# Altium PCB HYDRA_V3_BEACON.PcbDoc (part 2 of 2) (continued)
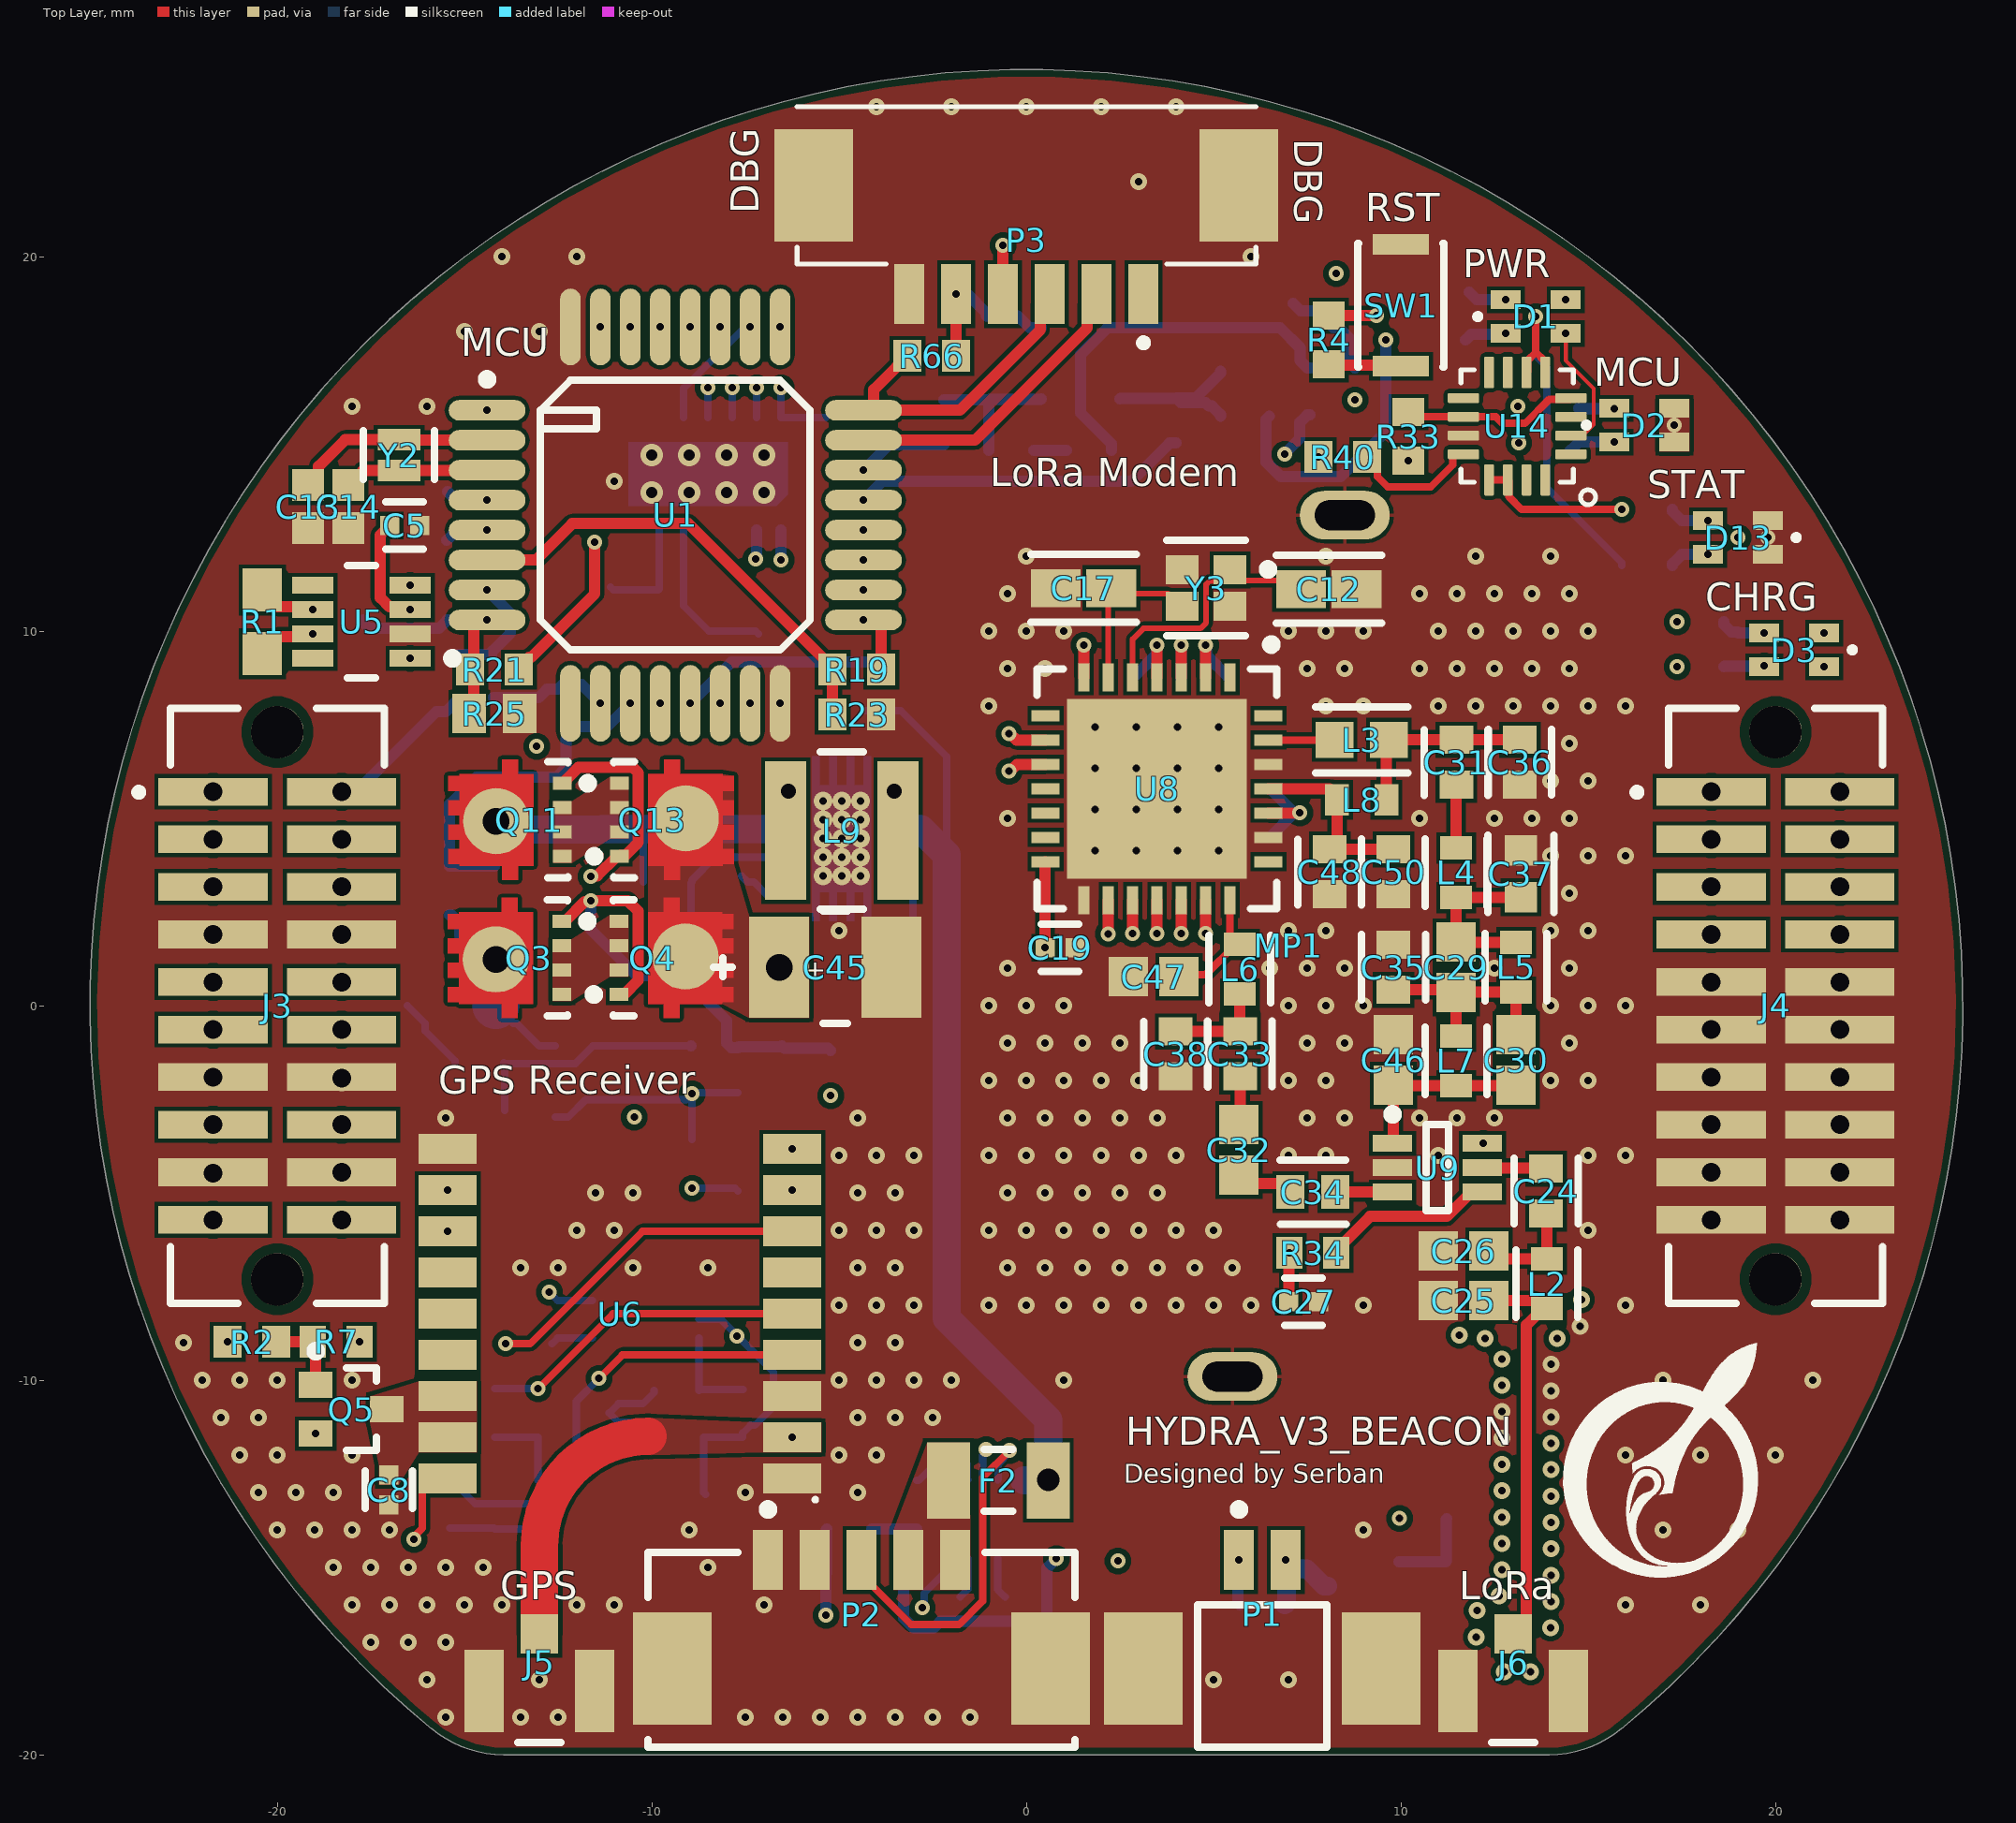
[diagram p0: Top Layer view]
## Nets (pads, with @x,y where several pads share a name; then routed paths per layer and width w, separated by ;. In a path a pad name is that pad's centre, name@x,y a point inside that pad or via, vN(x,y) a via of type N, cw(c..) or ccw(c..) an arc to the next point about the centre after c; other vN are vias at no path point) (continued)
  other v1: -15.5,-19 -13.5,-19 -12.5,-19 -7.5,-19 -6.5,-19 -5.5,-19 -4.5,-19 -3.5,-19 -2.5,-19 -1.5,-19 -16,-18 -13,-18 5,-18 7,-18 -17.5,-17 -16.5,-17 -15.5,-17 -18,-16 -17,-16 -16,-16 -15,-16 -14,-16 -12,-16 -11,-16 -7,-16 16,-16 18,-16 -18.5,-15 -17.5,-15 -16.5,-15 -15.5,-15 -14.5,-15 -8.5,-15 -20,-14 -19,-14 -18,-14 -17,-14 -9,-14 9,-14 15,-14 17,-14 19,-14 -20.5,-13 -19.5,-13 -18.5,-13 -7.5,-13 -4.5,-13 -21,-12 -20,-12 -18,-12 -5,-12 -4,-12 16,-12 18,-12 20,-12 -21.5,-11 -20.5,-11 -4.5,-11 -3.5,-11 -2.5,-11 -22,-10 -21,-10 -20,-10 -18,-10 -5,-10 -4,-10 -3,-10 -2,-10 1,-10 17,-10 19,-10 21,-10 -22.5,-9 -4.5,-9 -3.5,-9 -5,-8 -4,-8 -3,-8 -1,-8 0,-8 1,-8 2,-8 3,-8 4,-8 5,-8 6,-8 9,-8 16,-8 -13.5,-7 -12.5,-7 -10.5,-7 -8.5,-7 -4.5,-7 -3.5,-7 -0.5,-7 0.5,-7 1.5,-7 2.5,-7 3.5,-7 4.5,-7 5.5,-7 -12,-6 -11,-6 -5,-6 -4,-6 -3,-6 -1,-6 0,-6 1,-6 2,-6 3,-6 4,-6 5,-6 15,-6 -11.5,-5 -10.5,-5 -4.5,-5 -3.5,-5 -0.5,-5 0.5,-5 1.5,-5 2.5,-5 3.5,-5 -5,-4 -4,-4 -3,-4 -1,-4 0,-4 1,-4 2,-4 3,-4 4,-4 7,-4 8,-4 11,-4 15,-4 16,-4 -15.5,-3 -4.5,-3 -0.5,-3 0.5,-3 1.5,-3 2.5,-3 3.5,-3 7.5,-3 8.5,-3 10.5,-3 11.5,-3 12.5,-3 -1,-2 0,-2 1,-2 2,-2 3,-2 7,-2 8,-2 14,-2 15,-2 -0.5,-1 0.5,-1 1.5,-1 2.5,-1 7.5,-1 8.5,-1 14.5,-1 -1,0 0,0 0,0 1,0 7,0 8,0 8,0 9,0 14,0 14,0 15,0 16,0 -0.5,1 6.5,1 7.5,1 8.5,1 12.5,1 14.5,1 -5,2 7,2 7,2 8,2 14,2 15,2 15,2 14.5,3 14,4 14,4 15,4 16,4 -0.5,5 10.5,5 12.5,5 13.5,5 14.5,5 14,6 15,6 15,6 14.5,7 -1,8 8,8 8,8 9,8 11,8 12,8 12,8 13,8 14,8 14,8 15,8 16,8 -0.5,9 0.5,9 7.5,9 8.5,9 10.5,9 11.5,9 12.5,9 13.5,9 14.5,9 -1,10 -1,10 0,10 1,10 1,10 7,10 7,10 8,10 9,10 9,10 11,10 11,10 12,10 13,10 13,10 14,10 15,10 15,10 -0.5,11 10.5,11 11.5,11 12.5,11 13.5,11 14.5,11 0,12 8,12 12,12 14,12 -11,14 -18,16 -16,16 -15,18 -13,18 -14,20 -12,20 6,20 3,22 -4,24 -2,24 0,24 2,24 4,24
  other v2: -6.575,8.075 19.8,12.5
  other v3: 18.285,-5.715 21.715,-5.715 -21.715,-4.475 -18.285,-4.445 18.285,-4.445 21.715,-4.445 18.285,-3.175 21.715,-3.175 -18.285,-1.933 -21.715,-1.905 18.285,-1.905 21.715,-1.905 18.285,-0.635 21.715,-0.635 18.285,0.635 21.715,0.635 -21.715,1.905 -18.285,1.905
  other v4: -5.435,3.462 -4.935,3.462 -4.435,3.462 -5.435,3.962 -4.935,3.962 -4.435,3.962 1.837,4.144 2.937,4.144 4.037,4.144 5.137,4.144 -5.435,4.462 -4.935,4.462 -4.435,4.462 -5.435,4.962 -4.935,4.962 -4.435,4.962 1.837,5.244 2.937,5.244 4.037,5.244 5.137,5.244 -5.435,5.462 -4.935,5.462 -4.435,5.462 1.837,6.344 2.937,6.344 4.037,6.344 5.137,6.344 1.837,7.444 2.937,7.444 4.037,7.444 5.137,7.444
  other v5: -10,13.7 -9,13.7 -8,13.7 -7,13.7 -10,14.7 -9,14.7 -8,14.7 -7,14.7
GPS_ENABLE: R7.1 U1.14 | length 21.2
  INT_SIG_1 w0.3: v2(-17.8,-8.975) -17.79,-8.965 -17.49,-8.965 -8.32,0.205 -8.32,7.903 -8.194,8.029 v2@-8.194,8.056
  other v2: -8.175,8.075
GPS_PWR: C8.1 Q5.3 U6.16 U6.17
GPS_RESET: U1.15 U6.18 | length 29.5
  Top Layer w0.2: v2(-16.35,-14.25) -16.312,-14.212 -16.312,-14.133 -16.125,-13.946 -16.125,-12.925 -15.825,-12.625 U6.18@-15.45,-12.625
  INT_SIG_1 w0.3: v2(-16.35,-14.25) -14.225,-14.25 -7.918,-7.943 -7.918,7.532 v2(-7.375,8.075)
GPS_STAT_LED: R40.1 U1.30 U6.11 | length 46.6
  INT_SIG_2 w0.3: v2(-15.45,-4.925) -12.575,-2.05 -12.575,16.125 v2(-10.575,18.125) -8.975,19.725 -5.8,19.725 -0.275,14.2 7.331,14.2 7.781,14.65 v2(7.8,14.65)
HYDRA_3V3_SENSE: R11.1 R12.2 U1.11 | length 9.2
  Bottom Layer w0.3: R12.2@-14.2,3.725 R11.1@-15.4,3.725 -15.4,5.375 -14.675,6.1 -12.55,6.1 -12.292,6.358 -12.292,7.133 -11.975,7.45 -11.2,7.45 v2(-10.575,8.075)
INT_3V3: C42.1 C43.1 C51.1 Q11.5-6-7-8 R36.2 R44.2 U10.4 U10.5 | length 11.9
  INT_SIG_1 w0.2: v6(-14.157,4.927) -13.075,6.01 v2(-13.075,6.925)
  Bottom Layer w0.2: R36.2@-10.236,3.305 -10.236,4.455 -9.986,4.705 C42.1@-9.735,4.705
  Bottom Layer w0.75: v6(-14.157,4.927) -14.017,4.927 -13.794,4.705 C51.1@-11.335,4.705 -11.327,4.712 -6.6,4.712
INT_3V3_SENSE: R44.1 R48.2 U1.10 | length 3.2
  Bottom Layer w0.3: R48.2@-14.225,8.225 R44.1@-13.025,8.225 -12.8,8.45 -12.507,8.45 -12.382,8.575 -11.875,8.575 v2(-11.375,8.075)
LNA_EN: R28.1 U6.4 | length 12.3
  Top Layer w0.2: v2(-11.412,-9.95) -10.787,-9.325 U6.4@-6.25,-9.325
  Bottom Layer w0.2: R28.1@-15.388,-12.7 -15.313,-12.7 -14.713,-13.3 -12.577,-13.3 -12.019,-12.741 -12.019,-10.556 v2(-11.412,-9.95)
LORA_CS: U1.18 U8.19 | length 17
  Top Layer w0.3: v2(4.137,1.925) U8.19@4.137,2.819
  INT_SIG_2 w0.2: v2(-4.35,11.1) -2.752,9.502 -2.752,4.165 0.314,1.1 3.312,1.1 v2(4.137,1.925)
NetC16_1: C16.1 R16.1 R17.2 U4.4 | length 6.5
  Bottom Layer w0.2: R16.1@-13.95,-1.525 R16.1@-13.933,-1.542 ; C16.1@-13.925,-2.8 -13.925,-1.55 R16.1@-13.933,-1.542 ; R17.2@-8.95,-1.075 U4.4@-10.475,-1.075 -11.578,-1.075 -12.045,-1.542 R16.1@-13.933,-1.542
NetC22_1: C22.1 U8.2 | length 1.9
  Top Layer w0.3: U8.2@4.787,8.769 v2(4.787,9.625)
  Bottom Layer w0.3: v2@4.787,9.585 4.806,9.566 4.806,9.354 C22.1@5.4,8.76
NetC23_1: C23.1 U8.4 | length 1.9
  Top Layer w0.3: U8.4@3.487,8.769 v2(3.487,9.625)
  Bottom Layer w0.3: C23.1@2.85,8.76 3.468,9.378 3.468,9.566 v2@3.487,9.585
NetC24_1: C24.1 C26.2 L2.2 | length 2.9
  Top Layer w0.3: C26.2@12.35,-6.55 12.562,-6.762 L2.2@13.9,-6.762 13.9,-5.575 C24.1@13.875,-5.55
NetC25_2: C25.2 J6.1 L2.1 | length 10.7
  Top Layer w0.3: C25.2@12.35,-7.875 13.575,-7.875 L2.1@13.788,-8.087 ; J6.1@13,-16.775 13.35,-16.425 13.35,-8.525 L2.1@13.788,-8.087 ; L2.1@13.9,-8.087 L2.1@13.788,-8.087
NetC29_1: C29.1 C37.1 L4.2 L5.1 | length 4.5
  Top Layer w0.3: L5.1@13.075,1.688 11.487,1.688 C29.1@11.475,1.7 L4.2@11.475,2.888 11.481,2.893 13.194,2.893 C37.1@13.2,2.899
NetC29_2: C29.2 C30.1 C35.1 L5.2 L7.1 | length 5.6
  Top Layer w0.3: C35.1@9.8,0.425 11.4,0.425 C29.2@11.475,0.35 ; L7.1@11.475,-0.812 C29.2@11.475,0.35 ; C30.1@13.075,-0.775 L5.2@13.075,0.363 11.487,0.363 C29.2@11.475,0.35
NetC31_1: C31.1 C36.1 L3.2 L8.2 | length 5.1
  Top Layer w0.3: L8.2@9.61,5.5 9.61,7.034 L3.2@9.676,7.1 C31.1@11.476,7.1 C36.1@13.175,7.1
NetC31_2: C31.2 L4.1 | length 1.7
  Top Layer w0.3: L4.1@11.475,4.213 11.475,5.899 C31.2@11.476,5.9
NetC32_1: C32.1 C33.2 | length 1.3
  Top Layer w0.3: C32.1@5.675,-3.175 5.701,-3.149 C33.2@5.701,-1.887
NetC32_2: C32.2 C34.1 | length 1.6
  Top Layer w0.3: C32.2@5.675,-4.525 5.9,-4.75 6.825,-4.75 C34.1@7.05,-4.975
NetC33_1: C33.1 C38.1 L6.2 | length 2.7
  Top Layer w0.3: C38.1@3.988,-0.688 C33.1@5.701,-0.688 5.7,-0.686 L6.2@5.7,0.312
NetC52_1: C52.1 U10.12 U10.13 | length 2.8
  Bottom Layer w0.2: U10.12@-3.535,3.962 U10.13@-3.535,3.462 -3.355,3.462 -3.033,3.141 -3.033,1.617 C52.1@-3.125,1.525
NetC53_1: C53.1 U10.1 | length 1.5
  Bottom Layer w0.2: C53.1@-7.605,3.463 -7.445,3.303 -7.275,3.303 -6.935,2.962 U10.1@-6.335,2.962
NetD1_1: D1.1 R8.1 | length 1.1
  Bottom Layer w0.3: R8.1@11.725,17.775 11.881,17.931 12.781,17.931 v2(12.8,17.95)
NetD1_4: D1.4 R10.1 | length 1
  Bottom Layer w0.3: R10.1@11.825,19.05 12.025,18.85 v2@12.778,18.85
  other v2: 12.8,18.85
NetD2_1: D2.1 R5.1 | length 1.3
  Bottom Layer w0.3: R5.1@14.525,14.8 14.525,14.825 14.75,15.05 v2(15.7,15.05)
NetD2_4: D2.4 R3.1 | length 0.9
  Bottom Layer w0.3: R3.1@14.75,15.95 14.754,15.946 v2(15.696,15.946)
NetD3_2: D3.2 R14.2 | length 1.2
  Bottom Layer w0.3: R14.2@18.625,10.25 18.625,10.175 18.825,9.975 18.976,9.975 19.001,9.95 v2(19.7,9.95)
NetD3_3: D3.3 R35.2 | length 1.1
  Bottom Layer w0.3: R35.2@18.625,9.05 18.637,9.062 19.687,9.062 v2(19.7,9.075)
NetD4_A: D4.A D9.C | length 0.9
  Bottom Layer w0.3: D4.A@0.2,14.825 D9.C@1.075,14.825
NetD4_C: D4.C D10.C R51.1 U13.4 | length 4
  Bottom Layer w0.3: D10.C@-2.2,16.175 R51.1@-1,16.175 ; D4.C@-1,14.825 R51.1@-1,16.175 ; U13.4@0.395,16.2 0.383,16.187 -0.988,16.187 R51.1@-1,16.175
NetD9_A: D9.A Q9.1 R52.2 R59.1 U13.1 | length 10
  Bottom Layer w0.3: D9.A@2.275,14.825 2.275,15 1.45,15.825 1.45,17.391 2.159,18.1 U13.1@2.496,18.1 R59.1@3.971,18.1 Q9.1@5.221,18.1 6.775,18.1 7.307,17.568 7.307,17.225 7.507,17.025 R52.2@7.575,17.025
NetD11_C: D11.C R56.2 R57.2 U13.3 | length 4.4
  Bottom Layer w0.3: U13.3@2.496,16.2 2.509,16.212 3.988,16.212 D11.C@4,16.225 ; R56.2@5.177,15.737 5.177,15.787 4.952,16.012 4.864,16.012 4.776,16.1 4.125,16.1 D11.C@4,16.225 ; R57.2@5.177,16.937 5.177,16.887 4.515,16.225 4.125,16.225 D11.C@4,16.225
NetD13_2: D13.2 R64.2 | length 1.1
  Bottom Layer w0.3: R64.2@17.25,13.25 17.25,13.2 17.5,12.95 v2(18.2,12.95)
NetD13_3: D13.3 R65.2 | length 1.1
  Bottom Layer w0.3: R65.2@17.25,11.75 17.25,11.8 17.5,12.05 v2(18.2,12.05)
NetL9_1: L9.1 U10.8 U10.9
  other v7: -3.525,5.725
NetL9_2: L9.2 U10.6 U10.7
  other v7: -6.35,5.725
NetQ3_1: Q3.1 Q3.2 Q3.3 Q4.1 Q4.2 Q4.3
NetQ5_1: Q5.1 R2.1 R7.2 | length 2.2
  Top Layer w0.3: R2.1@-20.025,-8.975 R7.2@-19.225,-8.975 ; R7.2@-19.05,-8.975 R7.2@-19.225,-8.975 ; Q5.1@-18.975,-10.125 -18.975,-9.275 -19.225,-9.025 R7.2@-19.225,-8.975
NetQ6_1: Q6.1 Q7.2 R26.1 | length 2.3
  Bottom Layer w0.2: R26.1@-14.188,-11.525 Q6.1@-13.037,-11.525 Q7.2@-13.037,-12.675
NetQ6_3: Q6.3 R27.2 R29.2 | length 2.9
  Bottom Layer w0.2: R27.2@-10.062,-11.525 -10.062,-11.4 -10.337,-11.125 -10.887,-11.125 Q6.3@-11.138,-10.875 -10.888,-10.625 -10.238,-10.625 -9.938,-10.325 R29.2@-9.938,-10.275
NetQ7_1: Q7.1 R28.2 R30.2 | length 2.4
  Bottom Layer w0.2: R28.2@-15.388,-13.95 -14.212,-13.95 R30.2@-14.188,-13.975 Q7.1@-13.037,-13.975
NetQ9_3: Q9.3 R60.1 R61.1 | length 2.7
  Bottom Layer w0.3: Q9.3@7.121,18.75 7.321,18.55 7.75,18.55 8.2,18.1 R60.1@8.275,18.1 8.35,18.1 8.65,17.8 8.65,17.15 R61.1@8.775,17.025
NetQ11_1: Q11.1 Q11.2 Q11.3 Q13.1 Q13.2 Q13.3
NetQ14_1: Q14.1 R62.1 R63.1 | length 2.4
  Bottom Layer w0.3: Q14.1@9.95,-14.85 R63.1@11.2,-14.85 11.212,-14.837 11.212,-13.712 R62.1@11.225,-13.7
NetR4_2: R4.2 SW1.1 | length 1.9
  Top Layer w0.3: R4.2@8.075,17.125 8.1,17.1 9.975,17.1 SW1.1@10,17.075
NetR32_2: R32.2 U7.4 | length 1.1
  Bottom Layer w0.2: R32.2@-12.662,-9.025 -12.512,-8.875 U7.4@-11.588,-8.875
NetR33_1: R33.1 U14.4 | length 4.7
  Top Layer w0.2: R33.1@10.2,15.85 10.325,15.725 12.53,15.725 12.705,15.55 13.311,15.55 13.956,16.195 14.505,16.195 U14.4@14.535,16.225
NetR34_1: R34.1 U9.4 | length 4.6
  Top Layer w0.3: R34.1@8.275,-6.6 8.275,-6.525 9.175,-5.625 11.225,-5.625 11.875,-4.975 U9.4@12.175,-4.975
NetR36_1: R36.1 R37.2 U10.3 | length 4.1
  Bottom Layer w0.2: R37.2@-8.96,2.13 -8.96,3.279 R36.1@-8.934,3.305 -8.934,3.358 -8.329,3.962 U10.3@-6.335,3.962
NetR40_2: R40.2 U14.12 | length 3.6
  Top Layer w0.2: R40.2@9.1,14.65 9.375,14.375 9.375,14.125 9.65,13.85 10.79,13.85 11.387,14.447 11.387,14.695 11.417,14.725 U14.12@11.665,14.725
NetR41_1: R41.1 U11.2 | length 1.1
  Bottom Layer w0.2: U11.2@-0.774,-14.764 -0.774,-15.589 R41.1@-0.574,-15.789
NetR43_1: R43.1 U11.4 | length 1.1
  Bottom Layer w0.2: R43.1@-1.774,-15.789 -1.574,-15.589 U11.4@-1.574,-14.764
NetR47_1: R47.1 U11.7 | length 2.1
  Bottom Layer w0.2: R47.1@-2.925,-12.675 -2.875,-12.675 -2.313,-12.113 -1.711,-12.113 -1.589,-12.234 -1.589,-12.649 U11.7@-1.574,-12.664
NetR64_1: R64.1 U14.13 U14.14 | length 4.1
  Top Layer w0.2: U14.13@12.35,14.04 U14.14@12.85,14.04 12.88,14.01 12.88,13.59 13.22,13.25 v2(15.9,13.25)
NetR65_1: R65.1 U14.5 U14.6 | length 9.8
  Top Layer w0.2: U14.6@13.35,16.91 13.38,16.94 13.38,17.23 13.6,17.45 ; v2(13.6,18.4) 13.6,17.45 ; U14.5@13.85,16.91 13.85,17.2 13.82,17.23 13.6,17.45
  Bottom Layer w0.2: v2(13.6,18.4) 13.6,17.35 13.9,17.05 13.9,13.825 15.9,11.825 R65.1@15.9,11.75
NetTP1_1: TP1.1 U6.9
  other v2: -6.25,-3.825
NetTP2_1: TP2.1 U8.9 | length 1
  Top Layer w0.3: v2(-0.462,7.262) -0.435,7.262 -0.267,7.094 U8.9@0.512,7.094
NetTP3_1: TP3.1 U8.10 | length 1
  Top Layer w0.3: v2(-0.462,6.262) -0.435,6.262 -0.253,6.444 U8.10@0.512,6.444
NetTP4_1: TP4.1 U8.7 | length 0.9
  Top Layer w0.3: U8.7@1.537,8.769 v2(1.537,9.625)
OSC1: C6.2 U2.6 Y1.1 | length 2.9
  Bottom Layer w0.2: C6.2@-11.1,11.175 -11.025,11.1 Y1.1@-9.825,11.1 -9.8,11.125 U2.6@-9.8,12.7
OSC2: C7.2 U2.5 Y1.3 | length 4.3
  Bottom Layer w0.2: U2.5@-9.15,12.7 -9.15,10.675 -8.475,10 Y1.3@-8.425,10 -7.225,10 C7.2@-7.15,9.925
PA_BOOST: L3.1 U8.27 | length 1.8
  Top Layer w0.2: U8.27@6.462,7.094 8.218,7.094 L3.1@8.224,7.1
PG_N: D3.1 U11.5 | length 46.2
  INT_SIG_1 w0.2: v2(-2.775,-16.075) -2.775,-12.675 -1.025,-10.925 6.773,-10.925 16.725,-0.973 16.725,10.625 17.05,10.95 19.336,10.95 20.336,9.95 v2(21.3,9.95)
  Bottom Layer w0.2: v2(-2.775,-16.075) -2.737,-16.037 -2.737,-15.692 -2.06,-15.014 -1.989,-15.014 -1.974,-14.999 U11.5@-1.974,-14.764
PRE_5V: F1.1 J1.03 J1.04 J1.05 J1.06 J3.03 J3.04 J3.05 J3.06 | length 38.2
  INT_SIG_2 w0.5: v3(-18.285,4.445) -17.05,3.21 -17.05,-8.65 -7.825,-17.875 -0.609,-17.875 v2(2.441,-14.825)
  other v3: -21.715,3.175 -18.285,3.175 -21.715,4.445
PRE_V_BATT: F2.1 P2.4 P2.5
PYRO_PWR: J2.01 J2.02 J2.03 J2.04 J2.05 J2.06 J2.07 J2.08 J4.01 J4.02 J4.03 J4.04 J4.05 J4.06 J4.07 J4.08 R21.2 | length 47.5
  Top Layer w0.3: R21.2@-13.55,8.975 -13.55,9.025 -13.275,9.3 -13.225,9.3 -11.525,11 v2(-11.525,12.375)
  INT_SIG_2 w0.3: v3(18.285,5.715) 18.285,10.91 19,11.625 v2(19,12.5)
  INT_SIG_1 w0.3: v2(-11.525,12.375) -11.175,12.725 -6.975,12.725 -6.025,13.675 -6.025,14.925 -3.85,17.1 13.2,17.1 14.325,15.975 14.325,14.93 15.205,14.05 18.2,14.05 19,13.25 v2(19,12.5)
  other v3: 18.285,1.905 21.715,1.905 18.285,3.175 21.715,3.175 18.285,4.445 21.715,4.445 21.715,5.715
PYRO_PWR_SENSE: D7.3 R21.1 R25.2 U1.8 | length 6.2
  Top Layer w0.3: R25.2@-14.775,7.925 -14.75,7.95 -14.75,10.185 -14.635,10.3 v2(-14.4,10.3)
  Bottom Layer w0.3: D7.3@-17.7,10.3 -17.7,10.226 -17.55,10.076 -15.689,10.076 -15.465,10.3 v2(-14.4,10.3)
R_LED: R3.2 U1.20 | length 18.8
  INT_SIG_1 w0.3: v2(-4.35,12.7) -3.55,12.7 -0.575,15.675 12.8,15.675 v2(13.125,16)
RESETN: C11.1 P3.4 R4.1 R6.2 U1.4 | length 32.5
  Top Layer w0.3: P3.4@-0.625,19 v2(-0.625,20.3) ; R4.1@8.025,18.425 R4.1@8.075,18.425 v2(9.35,18.425)
  INT_SIG_1 w0.3: v2(-14.4,13.5) -12.85,15.05 -12.85,17.4 -9.95,20.3 v2(-0.625,20.3) 1.25,18.425 v2(9.35,18.425)
  Bottom Layer w0.3: R6.2@-15.45,13.725 -15.335,13.61 -14.51,13.61 v2(-14.4,13.5)
RF_IN: J5.1 L1.2 U6.2 | length 6.9
  Top Layer w1: J5.1@-13,-16.775 -13,-14.4 ; -13,-14.4 cw(c-10.1,-14.4) -10.1,-11.5
  other v2: -6.25,-11.525
RF_RX_SIG: C34.2 U9.3 | length 1.5
  Top Layer w0.3: C34.2@8.25,-4.975 U9.3@9.775,-4.975
RF_SWITCH_OUT: C24.2 U9.5 | length 1.7
  Top Layer w0.3: U9.5@12.175,-4.325 12.187,-4.337 13.862,-4.337 C24.2@13.875,-4.35
RF_TX_SIG: C30.2 C46.2 L7.2 U9.1 | length 4.8
  Top Layer w0.3: U9.1@9.775,-3.675 9.8,-3.65 C46.2@9.8,-2.125 9.813,-2.137 L7.2@11.475,-2.137 13.063,-2.137 C30.2@13.075,-2.125
RFI_HF: C47.2 L6.1 U8.21 | length 3.3
  Top Layer w0.2: C47.2@4.075,0.775 4.133,0.833 4.783,0.833 5.587,1.637 L6.1@5.65,1.637 ; U8.21@5.437,2.819 5.437,1.85 L6.1@5.65,1.637 ; L6.1@5.7,1.637 L6.1@5.65,1.637
RXD: U1.29 U6.12 | length 26.5
  INT_SIG_2 w0.3: v2(-15.45,-6.025) -12.125,-2.7 -12.125,15.775 v2(-9.775,18.125)
RXTX/RF_MOD: C27.1 R33.2 R34.2 U8.20 | length 28.5
  Top Layer w0.3: v2(4.787,1.925) U8.20@4.787,2.819 ; C27.1@7,-7.9 7.013,-7.888 7.013,-6.612 v2(7.025,-6.6)
  INT_SIG_1 w0.3: v2(7.025,-6.6) 6.375,-6.6 4.787,-5.012 v2(4.787,1.925) 6.11,3.248 6.11,13.235 7,14.125 9.775,14.125 v2(10.2,14.55)
SWCLK: P3.3 R66.1 U1.24 | length 8.5
  Top Layer w0.3: U1.24@-4.35,15.9 -4.191,15.9 -4.076,16.016 -4.076,16.449 -3.45,17.075 -3.4,17.075 -3.175,17.3 R66.1@-3.175,17.35 ; U1.24@-4.076,15.9 -1.775,15.9 0.375,18.05 0.375,18.75 P3.3@0.625,19
SWDIO: P3.2 U1.23 | length 8.2
  Top Layer w0.3: U1.23@-4.35,15.1 -1.375,15.1 1.625,18.1 1.625,18.75 P3.2@1.875,19
V_BATT: C40.1 C41.1 F2.2 R45.2 U10.10 U10.11 U11.10 | length 25.2
  Bottom Layer w0.2: R45.2@-4.3,7.875 -3.35,7.875 -2.125,6.65 -2.125,4.025
  Bottom Layer w0.75: -3.27,4.712 -2.812,4.712 -2.125,4.025 -2.125,-0.175 -2.125,-2.075 -2.125,-8.35 0.583,-11.058 v8@0.583,-12.675 ; -0.05,-12.675 0.571,-12.675 v8(0.581,-12.664)
VCC_RF: Q6.2 R26.2 U6.5 | length 8.8
  Top Layer w0.2: v2(-13.037,-10.225) -11.038,-8.225 U6.5@-6.25,-8.225
  Bottom Layer w0.2: R26.2@-14.188,-10.225 v2(-13.037,-10.225)
VCC_SENSE: R20.1 R24.2 U1.7 | length 3.2
  Bottom Layer w0.3: R20.1@-15.275,9.375 R24.2@-14.275,9.375 -14.275,9.45 -13.775,9.95 -13.775,10.475 v2(-14.4,11.1)
VR_PA: C48.1 C50.1 L8.1 U8.25 | length 5.1
  Top Layer w0.3: U8.25@6.462,5.794 8.096,5.794 8.29,5.6 L8.1@8.29,5.5 8.29,4.365 C48.1@8.1,4.175 C50.1@9.8,4.175
XIN_32: C13.2 U1.2 Y2.1 | length 5.4
  Top Layer w0.3: C13.2@-19.175,13.9 -18.9,14.175 -18.9,14.4 -18.187,15.113 Y2.1@-16.75,15.113 -16.744,15.106 -14.406,15.106 U1.2@-14.4,15.1
XOUT_32: C14.2 U1.3 Y2.2 | length 3.9
  Top Layer w0.3: C14.2@-18.1,13.9 -17.712,14.287 Y2.2@-16.75,14.287 -16.744,14.294 -14.406,14.294 U1.3@-14.4,14.3
XTA: C12.2 U8.5 Y3.1 | length 7
  Top Layer w0.15: U8.5@2.837,8.769 2.837,9.787 3.125,10.075 4.65,10.075 4.8,10.225 4.8,11.25 4.891,11.341 5.141,11.341 Y3.1@5.45,11.65 ; Y3.1@5.437,11.637 5.725,11.35 C12.2@7.275,11.35
XTB: C17.2 U8.6 Y3.3 | length 4.4
  Top Layer w0.15: U8.6@2.187,8.769 2.187,11.062 C17.2@2.27,11.145 ; C17.2@2.266,11.15 2.416,10.999 3.776,10.999 Y3.3@4.075,10.7
pads on no net: D7.2 J1. J2. J3. J4. P3.1 U1.9 U2.3 U2.4 U2.8 U2.9 U4.5 U5.5 U5.8 U6.6 U6.13 U6.14 U6.15 U7.1 U8.1 U8.8 U8.11 U8.12 U8.13 U8.22 U8.28 U10.14 U11.6 U13.5 U14.1 U14.3 U14.7 U14.8 U14.9 U14.10 U14.15 U14.16
copper on no net:
  other v1: 12.758,-17.788 13.462,-17.788 12.012,-16.855 13.988,-16.613 12.031,-16.152 14.001,-15.909 12.617,-15.762 14.001,-15.205 12.699,-15.062 14.001,-14.501 12.699,-14.358 14.001,-13.797 12.699,-13.654 14.001,-13.093 12.699,-12.95 14.001,-12.389 12.699,-12.246 14.001,-11.685 12.699,-11.542 14.001,-10.981 12.699,-10.838 14.001,-10.277 12.699,-10.134 14.001,-9.573 12.699,-9.43 12.25,-8.888 14.164,-8.888 11.552,-8.794 14.783,-8.553 14.813,-7.85

## Polygon pours and split planes (outlines as drawn)
GND on Top Layer "GND_L01_P074" (solid, pour order 74): -15.806,-19.201 ccw(c-13.96,-17) -13.96,-19.873 cw(c-13.96,-20) -13.843,-19.95 13.843,-19.95 cw(c13.96,-20) 13.96,-19.873 ccw(c13.96,-17) 15.806,-19.201 cw(c15.888,-19.298) 15.949,-19.186 ccw(c0,0) 24.95,0 ccw(c0,0) -15.949,-19.186 cw(c-15.888,-19.298)
3V3 on Top Layer "3V3_L01_P007" (solid, pour order 7): -10.095,6.19 -10.105,6.18 -10.105,0.053 -8.175,0.053 -8.122,0.053 -7.4,-0.325 -5.8,-0.325 -5.8,2.375 -7.4,2.375 -7.815,3.79 -7.815,6.14 -8.115,6.19
PRE_V_BATT on Top Layer "PRE_V_BATT_L01_P068" (solid, pour order 68): -1.5,-15.6 -3.55,-15.6 -3.55,-14 -2.655,-11.659 -1.512,-11.659
3V3 on Top Layer "3V3_L01_P063" (solid, pour order 63): 16.9,16.2 16.9,14.8 17.7,14.8 17.7,16.2
GPS_PWR on Top Layer "GPS_PWR_L01_P056" (solid, pour order 56): -17.525,-11.125 -17.525,-10.425 -16.225,-10.025 -14.675,-10.025 -14.675,-11.925 -16.225,-11.925 -16.765,-12.785 -17.285,-12.785 -17.285,-12.265
RF_IN on Top Layer "RF_IN_L01_P049" (solid, pour order 49): -5.475,-11.125 -7.025,-11.125 -10.1,-11 -10.1,-12 -7.025,-11.925 -5.475,-11.925
NetQ3_1 on Top Layer "L_POLY_2" (solid, pour order 23): -12.65,1.775 -12.65,0.125 -12.15,0.125 -11.125,0.775 -10.625,0.775 -10.625,2.425 -11.125,2.425 -12.15,1.775
NetQ11_1 on Top Layer "L_POLY_1" (solid, pour order 46): -12.64,5.465 -12.64,3.815 -12.14,3.815 -11.115,4.465 -10.615,4.465 -10.615,6.115 -11.115,6.115 -12.14,5.465
3V3_PRE_SHUNT on PWR "3V3_PRE_SHUNT_L03_P062" (solid, pour order 62): -23.175,1.005 -16.825,1.005 -16.825,-0.995 -23.175,-0.995
PRE_5V on PWR "PRE_5V_L03_P020" (solid, pour order 20): -23.175,4.815 -16.825,4.815 -16.825,2.805 -23.175,2.805
BUZZ+ on PWR "BUZZ+_L03_P019" (solid, pour order 19): -23.175,6.085 -16.825,6.085 -16.825,5.345 -23.175,5.345
PYRO_PWR on PWR "PYRO_PWR_L03_P022" (solid, pour order 22): 16.825,6.085 23.175,6.085 23.175,1.535 16.825,1.535
GND on Bottom Layer "GND_L06_P073" (solid, pour order 73): -15.806,-19.201 ccw(c-13.96,-17) -13.96,-19.873 cw(c-13.96,-20) -13.843,-19.95 13.843,-19.95 cw(c13.96,-20) 13.96,-19.873 ccw(c13.96,-17) 15.806,-19.201 cw(c15.888,-19.298) 15.949,-19.186 ccw(c0,0) 24.95,0 ccw(c0,0) -15.949,-19.186 cw(c-15.888,-19.298)
5V on Bottom Layer "5V_L06_P067" (solid, pour order 67): 1.346,-14.269 0.254,-14.269 -0.44,-14.414 -0.489,-14.464 -0.489,-15.065 -0.44,-15.114 0.254,-15.26 1.346,-15.26
V_BATT on Bottom Layer "V_BATT_L06_P064" (solid, pour order 64): -0.489,-12.314 -0.489,-13.014 -0.024,-13.014 -0.024,-12.314
NetL9_2 on Bottom Layer "NETL9_2_L06_P061" (solid, pour order 61): -6.07,5.342 -6.6,5.342 -6.6,6.082 -6.07,6.082
NetL9_1 on Bottom Layer "NETL9_1_L06_P060" (solid, pour order 60): -3.27,5.342 -3.8,5.342 -3.8,6.082 -3.27,6.082
3V3_PRE_SHUNT on Bottom Layer "3V3_PRE_SHUNT_L06_P059" (solid, pour order 59): -22.475,1.005 -22.475,-1.005 -17.525,-1.005 -15.95,-0.57 -17.1,-0.57 -15.95,-0.57 -15.95,0.58 -17.525,1.005
V_BATT on Bottom Layer "V_BATT_L06_P052" (solid, pour order 52): -3.8,5.082 -3.27,5.082 -3.27,4.342 -3.8,4.342
INT_3V3 on Bottom Layer "INT_3V3_L06_P051" (solid, pour order 51): -6.6,5.082 -6.07,5.082 -6.07,4.342 -6.6,4.342
GND on GND "GND_L02_P069" (solid, pour order 69): -15.806,-19.201 ccw(c-13.96,-17) -13.96,-19.873 cw(c-13.96,-20) -13.843,-19.95 13.843,-19.95 cw(c13.96,-20) 13.96,-19.873 ccw(c13.96,-17) 15.806,-19.201 cw(c15.888,-19.298) 15.949,-19.186 ccw(c0,0) 24.95,0 ccw(c0,0) -15.949,-19.186 cw(c-15.888,-19.298)
GND on INT_SIG_1 "GND_L04_P071" (solid, pour order 71): -15.806,-19.201 ccw(c-13.96,-17) -13.96,-19.873 cw(c-13.96,-20) -13.843,-19.95 13.843,-19.95 cw(c13.96,-20) 13.96,-19.873 ccw(c13.96,-17) 15.806,-19.201 cw(c15.888,-19.298) 15.949,-19.186 ccw(c0,0) 24.95,0 ccw(c0,0) -15.949,-19.186 cw(c-15.888,-19.298)
GND on INT_SIG_2 "GND_L05_P072" (solid, pour order 72): -15.806,-19.201 ccw(c-13.96,-17) -13.96,-19.873 cw(c-13.96,-20) -13.843,-19.95 13.843,-19.95 cw(c13.96,-20) 13.96,-19.873 ccw(c13.96,-17) 15.806,-19.201 cw(c15.888,-19.298) 15.949,-19.186 ccw(c0,0) 24.95,0 ccw(c0,0) -15.949,-19.186 cw(c-15.888,-19.298)

## Silkscreen, mask and mechanical layers (free items; w line width, h text height)
Top Overlay:
  region: 980 vertices and 2 holes, not listed, extent 14.33,-15.265 19.53,-8.999
  text "DBG" at 7.15,23.149 h0.75 r270
  text "DBG" at -7.15,21.15 h0.75 r90
  text "RST" at 9.05,20.95 h0.75
  text "PWR" at 11.65,19.45 h0.75
  text "MCU" at -15.1,17.35 h0.75
  text "MCU" at 15.15,16.55 h0.75
  text "LoRa Modem" at -0.975,13.875 h0.75
  text "STAT" at 16.575,13.55 h0.75
  text "CHRG" at 18.125,10.55 h0.75
  text "+" at -5.35,0.717 h0.5
  text "GPS Receiver" at -15.7,-2.35 h0.75
  text "HYDRA_V3_BEACON" at 2.65,-11.725 h0.75
  text "Designed by Serban" at 2.6,-12.733 h0.5
  text "GPS" at -14.05,-15.85 h0.75
  text "LoRa" at 11.55,-15.85 h0.75
Bottom Overlay:
  drawing of 17 lines, arcs and shapes, not listed
  text "PWR MGMT" at 3.125,19.1 h0.5
  text "CAN" at -5.975,16.85 h0.5
  text "INT 3V3" at -3.3,6.775 h0.5
  text "OC PROT" at -9.8,-0.175 h0.5
  text "GPS ANT SUP" at -8.075,-6.8 h0.5
  text "BATT / CHRG" at 3.225,-13.4 h0.5
  text "BUZZER" at 8.925,-13.925 h0.5
Mechanical 1:
  lines w0.1: -13.96,-20 cw(c-13.96,-17) -15.888,-19.298 ccw(c-13.96,-17) -13.96,-20 ; -13.96,-20 13.96,-20 ; 13.96,-20 ccw(c13.96,-17) 15.888,-19.298 ; 13.96,-20 ccw(c13.96,-17) 15.888,-19.298 ; 15.868,-19.318 ccw(c0,0) -15.868,-19.318 cw(c0,0) 15.868,-19.318 ; 15.868,-19.318 15.888,-19.298
  lines w0.254: -15.888,-19.298 ccw(c-13.96,-17) -13.96,-20 ; 13.96,-20 ccw(c13.96,-17) 15.888,-19.298

## Text inside footprints (layer, text, board x,y; h text height)
MP1: Mechanical 2 "recommended tin paste thickness=0.5mm / customer to define the final stencil gap" at 18,-4.4 h0.4 r90